# Altium PCB GATEWAY_PCB.PcbDoc (continued)
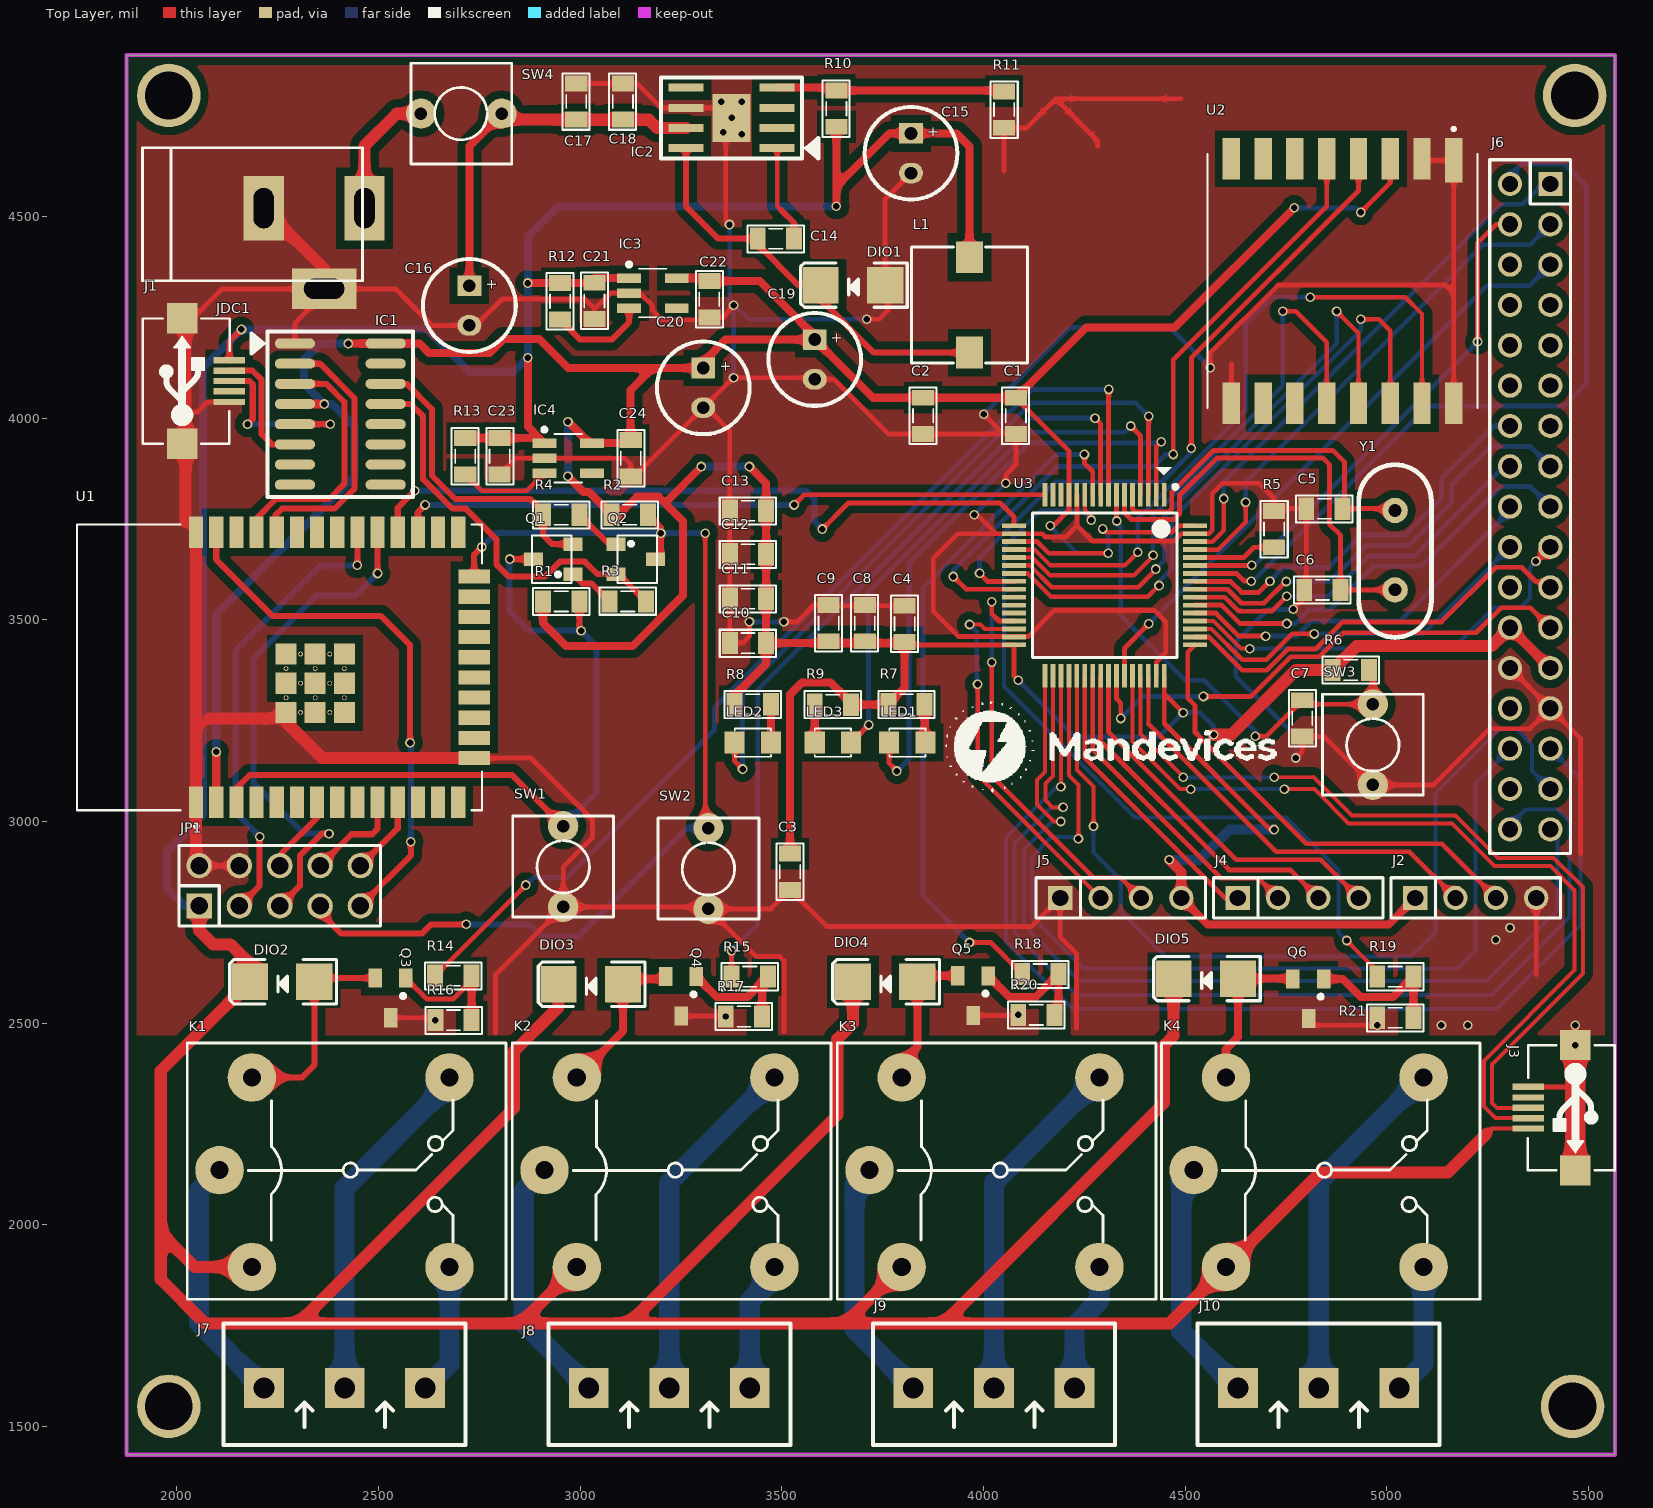
[diagram p0: Top Layer view]
## Part data
C1 C2 C3 C4 C5 C6 C7 C8 C9 C10 C11 C12 C13 C14 C17 C18 C21 C22 C23 C24: library part CapSMD, "Capacitor", LatestRevisionDate=17-Jul-2002, LatestRevisionNote="Re-released for DXP Platform.", PackageReference=RAD-0.3, Published=8-Jun-2000, Publisher="Altium Limited"
C15 C16 C19 C20: library part "Cap Pol", "Polarized Capacitor (Axial)", LatestRevisionDate=17-Jul-2002, LatestRevisionNote="Re-released for DXP Platform.", PackageReference=POLAR0.8, Published=8-Jun-2000, Publisher="Altium Limited"
DIO1 DIO2 DIO3 DIO4 DIO5: library part "Diode SMD", "Default Diode", Code - JEDEC=DO-214-AB, Published=8-Jun-2000, Publisher="Altium Limited", Revision="July-2002: Re-released for DXP Platform."
IC3 IC4: "RT9013-33GB IC REG LINEAR 3.3V 500mA SOT23-5"
J1 J3: Manufacturer=FCI, Manufacturer Part Number=10118193-0001LF, Supplier Part Number 1=609-4616-1-ND, .Checked PCB=RF, .Checked SCH=MM, .Creator=MM, Category="Connectors, Interconnects", ComponentLink1Description=http://portal.fciconnect.com/Comergent//fci/drawing/10118193.pdf, ComponentLink1URL=http://portal.fciconnect.com/Comergent//fci/drawing/10118193.pdf, Connector Type="USB - micro B", Features="Shielded, Solder Retention", Gender=Receptacle, Ingress Protection=-, Mounting Type="Surface Mount, Right Angle, Horizontal", Number of Contacts=5, Packaging="Cut Tape (CT)", Pricing 1="1=0.46, 10=0.433, 25=0.3712, 50=0.3156, 100=0.3032, 250=0.27224, 500=0.25988 (USD)", RoHS="RoHS Compliant", Specifications="USB 2.0", Stock 1=28642, Supplier 1=Digi-Key
J2: library part Header4, "Header IDC, 4 x 1 Pin Vertical 2.54mm Pitch (Non-Boxed, Male)", Manufacturer="Würth Elektronik eiSos GmbH", partNo=613002143121, ComponentLink1 Description=Manufacturer, ComponentLink1URL=http://www.we-online.com, ComponentLink2 Description=Datasheet, ComponentLink2URL=http://katalog.we-online.de/em/datasheet/6130xx143121.pdf, Created by="Karrer Zheng", Created Date="29 March 2013", NoPins=02
J4 J5: "WR-PHD 2.54 mm Angled Socket Header", Manufacturer="Würth Elektronik eiSos GmbH", partNo=613004143121, ComponentLink1 Description=Manufacturer, ComponentLink1URL=http://www.we-online.com, ComponentLink2 Description=Datasheet, ComponentLink2URL=http://katalog.we-online.de/em/datasheet/6130xx143121.pdf, Created by="Karrer Zheng", Created Date="29 March 2013", NoPins=04
J6: "WR-PHD 2.54 mm Dual Socket Header", Manufacturer="Würth Elektronik eiSos GmbH", partNo=61303421821, ComponentLink1 Description=Manufacturer, ComponentLink1URL=http://www.we-online.com, ComponentLink2 Description=Datasheet, ComponentLink2URL=http://katalog.we-online.de/em/datasheet/6130xx21821.pdf, Created by="Karrer Zheng", Created Date="29 March 2013", NoPins=34
J7 J8 J9 J10: Manufacturer="Würth Elektronik eiSos GmbH", partNo=691103110003, ComponentLink1 Description=Manufacturer, ComponentLink1URL=http://www.we-online.com, ComponentLink2 Description=Datasheet, ComponentLink2URL=http://katalog.we-online.de/em/datasheet/6911031100xx.pdf, Created by="Karrer Zheng", Created Date="29 October 2013", NoPins=3
JDC1: library part DCIN, "Jac DC input"
JP1: library part "JP 2x5 2.54 Duc Thang", "C?m", Chung_Loai=C?m, Don_Vi=Con, Ma_Hang=MH002686, Ten_Linh_Kien="Jump Ðôi Ð?c 2.54MM 2x40P Th?ng 11MM"
K1 K2 K3 K4: "Single-Pole Dual-Throw Relay", LatestRevisionDate=17-Jul-2002, LatestRevisionNote="Re-released for DXP Platform.", PackageReference=MODULE5B, Published=24-Mar-1999, Publisher="Altium Limited"
L1: library part Inductor, "Inductor"
LED1 LED2 LED3: "LED Single colour Green and Red"
Q1 Q2: library part 2SC1815, "NPN 600mW, ECB", =C2383
Q3 Q4 Q5 Q6: "NPN 600mW, ECB", =C2383
R1 R2 R3 R4 R5 R6 R7 R8 R9 R10 R11 R12 R13 R14 R15 R16 R17 R18 R19 R20 R21: library part "Resistor - SMD", "Resistor", Manufacturer="Generic Components", Class=Passive, Published=08/06/2000, Publisher="Altium Hobart Technology Centre"
SW1 SW2 SW3 SW4: library part SW2, "Switch button 2 pin"
U2: "LoRa Module Ra-02"
Y1: library part XTAL, "Crystal Oscillator", LatestRevisionDate=17-Jul-2002, LatestRevisionNote="Re-released for DXP Platform.", PackageReference=R38, Published=8-Jun-2000, Publisher="Altium Limited"
IC2: Name=TPS5430

## Free pads (board coordinates)
  round 157.48 hole 118.11: 0(1980,1550) 0(1980,4800) 0(5460,1550) 0(5465.45,4800)

## Via types
v1: diameter 24, hole 16, Top Layer to Bottom Layer, 123 vias

## Nets (pads, with @x,y where several pads share a name; then routed paths per layer and width w, separated by ;. In a path a pad name is that pad's centre, name@x,y a point inside that pad or via, vN(x,y) a via of type N, cw(c..) or ccw(c..) an arc to the next point about the centre after c; other vN are vias at no path point)
3V3: C1.1 C2.1 C3.2 C4.2 C8.2 C9.2 C10.2 C11.2 C12.2 C13.2 C19.1 C20.1 C22.2 C24.2 IC1.4 IC1.16 IC3.5 IC4.5 J2.1 J5.4 J6.13 J6.23 R1.1 R2.1 R6.1 R7.1 R8.1 R9.1 U1.2 U2.3 U3.13 U3.19 U3.32 U3.48 U3.64 | length 13229.5
  Top Layer w12: C4.2@3811.1,3437.95 U3.32 4075.59,3360.19 v1(4085.79,3350) ; U3.19 4132.81,3693.86 4161.66,3665 v1(4309.16,3665) ; C1.1 4211.42,3919.17 U3.13 4211.42,3771.42 4173.23,3733.23 v1(4165,3733.23) ; v1(4295,3725.35) 4303.35,3717 4466.86,3717 4483.09,3733.23 U3.64 ; U3.48 4447.64,3316.77 ; v1(4494.41,3270) 4447.64,3316.77 ; v1(4720,2980) 4710.59,2980 4447.64,3242.95 4447.64,3316.77 ; v1(4935,4510) 5008.11,4583.11 U2.3@5008.11,4638.74
  Top Layer w20: U1.2 v1(2097.48,3172.48) ; IC1.4 v1@2360,4035 ; v1(2425,4185) IC1.16 2602.05,4185 2625.26,4161.79 2774.97,4161.79 2809.39,4196.2 2898.22,4196.2 2970.22,4124.21 3179.21,4124.21 ; R1.1 2907.75,3492.25 2965,3435 3130,3435 3255,3560 3255,3744.56 3204.56,3795 ; v1(2969.41,3855.59) 3008.34,3816.66 3021.66,3816.66 R2.1 3095.57,3760.57 3140.07,3805.07 3194.48,3805.07 3204.56,3795 ; v1(2969.41,3991.36) 3022.78,3937.99 IC4.5 3117.4,3937.99 C24.2 3125,4070 3179.21,4124.21 ; IC3.5 3312.6,4347.4 C22.2 3445,4340 3581.22,4203.78 C19.1 ; v1(3300,3880) 3300,3879.5 3215.5,3795 3204.56,3795 ; R8.1 3382.77,3312.77 3460.79,3390.79 C10.2 ; v1(3419.41,3880) 3460.78,3838.62 C13.2 C12.2 C11.2 C10.2 ; C3.2 3520,3315 3550,3345 3620.52,3345 3671.22,3294.3 R9.1 3762.78,3289.59 R7.1 3804.06,3330.86 C4.2 ; C4.2@3811.1,3437.95 C4.2 ; J5.4 4555.59,2745 5004.41,2745 J2.1 ; v1(4770,4521.38) 4473.62,4225 4254.41,4225 C1.1 C2.1 3725.63,4050.59 3581.42,4194.8 C19.1 ; 3179.21,4124.21 C20.1 3305,4139.8 3360,4194.8 C19.1 ; C10.2 3801.45,3442.4 C4.2
  Top Layer w25: v1(4460,2905) 4490,2875 J5.4 ; J6.23 J6.13
  Top Layer w30: v1(4570,3215) 4613.63,3215 4774.22,3375.59 R6.1 4865.19,3375.59 4924.41,3434.81 4924.41,3435 5259.41,3435 J6.23
  Bottom Layer w10: v1(4165,3733.23) 4233.23,3665 v1(4309.16,3665)
  Bottom Layer w12: v1(4085.79,3350) 4225.79,3210 4434.41,3210 v1(4494.41,3270) 4537.01,3270 4570,3237.01 v1(4570,3215) ; v1(4295,3725.35) 4309.16,3711.2 v1(4309.16,3665) ; v1(4770,4521.38) 4923.62,4521.38 v1(4935,4510)
  Bottom Layer w20: v1(2097.48,3172.48) 2097.48,3513.07 2440,3855.59 2440,3980 2385,4035 v1(2365,4035) 2315,4085 2315,4145 2355,4185 v1(2425,4185) ; v1(2969.41,3855.59) v1(2969.41,3991.36) ; v1(3300,3880) v1(3419.41,3880)
  Bottom Layer w25: v1(4460,2905) 4535,2905 4610,2980 v1(4720,2980)
5V: C15.1 C21.2 C23.2 DIO2.2 DIO3.2 DIO4.2 DIO5.2 IC3.1 IC4.1 J1.1 J3.1 JP1.1 K1.4 K2.4 K3.4 K4.4 L1.2 R10.2 R12.1 R13.1 | length 13725.6
  Top Layer w10: 5245.79,2225 5259.61,2238.82 J3.1
  Top Layer w15: J1.1 2130,4190 v1(2160,4220)
  Top Layer w20: R13.1 C23.2 2898.35,3950.59 ; v1@2870,4143.18 2870,3978.94 2898.35,3950.59 ; v1(2870,4335) R12.1 3034.41,4335 C21.2 3035,4347.4 IC3.1 ; IC4.1 2898.35,3950.59 ; v1(3635,4525) 3635,4575 ; R10.2 3635,4575 ; L1.2 3965,4673.6 3932.66,4705.95 C15.1 3765.95,4705.95 3635,4575
  Top Layer w30: JP1.1@2061.38,2790.59 JP1.1 2055,2730 2090,2695 2133.11,2695 2180.79,2647.32 DIO2.2 1960,2381.81 1960,1980 ; K1.4 2044.41,1895.59 1960,1980 ; DIO3.2 2945.79,2540 2835,2429.21 2835,2289.26 2301.33,1755.59 ; K2.4 2851.39,1755.59 ; DIO4.2 3675.79,2498.88 3636.99,2460.08 3636.99,2271.99 3120.59,1755.59 ; K3.4 3656.99,1755.59 ; DIO5.2 4470.79,2468.64 4447.64,2445.5 4447.64,2302.64 3900.59,1755.59 ; K4.4@4605.59,1895.59 K4.4 ; 5245.79,2225 5150.79,2130 4835.2,2130 K4.4 ; 1960,1980 1960,1865 2069.41,1755.59 2301.33,1755.59 ; 2301.33,1755.59 2851.39,1755.59 ; 2851.39,1755.59 3120.59,1755.59 ; 3120.59,1755.59 3656.99,1755.59 ; 3656.99,1755.59 3900.59,1755.59 ; 3900.59,1755.59 4460.79,1755.59 K4.4
  Bottom Layer w20: JP1.1 2019.41,2790.59 1975,2835 1975,2925.79 2065,3015.79 2065,4125 v1(2160,4220) 2620,4220 2725,4115 2835,4115 v1(2870,4150) v1(2870,4335) 2870,4450 2945,4525 v1(3635,4525)
12V: C16.1 C17.2 C18.2 IC2.7 SW4.2 | length 931.3
  Top Layer w20: C16.1 2725,4675 SW4.2
  Top Layer w30: SW4.2 2820,4740 C17.2 C18.2 3170,4740 3190.77,4719.23 IC2.7
BOOT0: R5.1 U3.60 | length 206.2
  Top Layer w12: U3.60 4644.89,3654.49 4670.4,3680 R5.1
C0: J7.1 K1.1 | length 627.6
  Bottom Layer w50: K1.1 2055,2084.8 2055,1756.38 J7.1
C1: J8.1 K2.1 | length 627.9
  Bottom Layer w50: K2.1 2860,2084.2 2860,1756.38 J8.1
C2: J9.1 K3.1 | length 615.7
  Bottom Layer w50: K3.1 3680,2098.6 3680,1741.38 J9.1
C3: J10.1 K4.1 | length 611.1
  Bottom Layer w50: K4.1 4490,2104.8 4490,1736.38 J10.1
CH340_RXD: IC1.3 U1.35 | length 631.4
  Top Layer w15: U1.35 2197.48,3751.66 2245.41,3799.59 2377.07,3799.59 2415,3837.52 2415,4040 2370,4085 IC1.3
CH340_TXD: IC1.2 U1.34 | length 673.7
  Top Layer w15: U1.34 2245,3719.33 2245,3760 2260.59,3775.59 2390.59,3775.59 2440,3825 2440,4050 2355,4135 IC1.2
D_N: IC1.6 J1.2 | length 317
  Top Layer w15: J1.2 2187.41,4117.59 2210,4095 2210,3960.59 2235.59,3935 IC1.6
D_P: IC1.5 J1.3 | length 462.2
  Top Layer w15: J1.3 2179.9,4092 2188,4083.9 2188,3998 v1(2175,3985) ; IC1.5 v1(2380,3985)
  Bottom Layer w15: v1@2175,3980.79 v1(2175,3985) v1(2380,3985)
DTR: IC1.13 Q2.2 R3.1 | length 1006.7
  Top Layer w15: IC1.13 2580,4035 2610.48,4004.52 2610.48,3848.41 2683.3,3775.59 2716.33,3775.59 2791.92,3700 2791.92,3638.08 2822.8,3607.2 2912.2,3607.2 2949.4,3644.4 3011.6,3644.4 3042.43,3613.57 Q2.2 3094.76,3613.57 R3.1
EN: Q1.3 R1.2 SW1.2 U1.3 | length 1905.5
  Top Layer w15: U1.3 2147.48,3082.48 2180,3115 2831.1,3115 SW1.2 ; v1(2825,3650.57) Q1.3 ; R1.2 2997.75,3477.25 v1(3002,3473)
  Bottom Layer w15: v1(2825,3650.57) 2825,3520 2872,3473 v1(3002,3473) 3040,3435 3040,3070.59 SW1.2
GND: C1.2 C2.2 C3.1 C4.1 C5.1 C6.1 C7.1 C8.1 C9.1 C10.1 C11.1 C12.1 C13.1 C15.2 C16.2 C17.1 C18.1 C19.2 C20.2 C21.1 C22.1 C23.1 C24.1 DIO1.1 IC1.1 IC2.6 IC2.9 IC3.2 IC4.2 J1.5 J2.4 J3.5 J5.1 J6.14 J6.22 JDC1.2 JDC1.3 JP1.9 JP1.10 Q3.3 Q4.3 Q5.3 Q6.3 R5.2 R11.1 R16.1 R17.1 R20.1 R21.1 SW1.1 SW2.1 SW3.1 U1.1 U1.15 U1.38 U1.39_1 U2.1 U2.2 U2.9 U2.16 U3.12 U3.18 U3.31 U3.47 U3.63 | length 20634.1
  Top Layer w12: 2021.7,3742.63 U1.38 ; J1.5@2021.7,4229.64 2112.65,4320.59 JDC1.3 ; 2038.16,4015 2050,4015 2075,4040 J1.5@2130,4040 ; JP1.10@2047.48,2898.11 JP1.10 JP1.9 ; 2047.48,3222.48 2080,3255 ; U1.39_1@2254.92,3255 U1.39_1 ; IC1.1 2292.64,4235.16 2365,4307.52 JDC1.3 ; 2365,4370.59 JDC1.3 ; Q3.3 2635,2513.38 v1(2640.79,2507.59) R16.1@2640.79,2497.81 ; U1.15 2877.8,3157.2 3030,3005 3030,2959.59 2957.76,2887.35 SW1.1 ; 2790,2474.86 2790,2620.59 SW1.1 ; C23.1 2840,3900.59 IC4.2 3110.35,3900.59 3125,3885.94 C24.1 3134.8,3855.59 C20.2 ; C17.1 C18.1 3140,4830 3200.77,4769.23 IC2.6 3341,4769.23 3375,4735.23 3360.79,4721.02 3360.79,4489.21 v1(3370,4480) ; C21.1 3035,4270.02 3035.99,4271.01 ; Q4.3 3360,2517.38 v1(3360.79,2516.59) ; v1(3380,4280) 3355,4250 C22.1 3313.79,4243.79 3202.49,4243.79 3179.21,4267.06 3179.21,4278.79 3148,4310 IC3.2 3074.98,4310 3035.99,4271.01 ; v1(3419.41,3495) 3419.41,3459.41 3402.4,3442.4 C10.1 C11.1 C12.1 C13.1 3370.78,3969.22 3314.21,4025.79 C20.2 ; 3505,2479.53 3505,2655 3495,2665 3436.1,2665 SW2.1 ; v1(3505,3495) 3537.75,3495 3579.53,3536.77 C9.1 3617.29,3535 C4.1 ; C19.2@3575,4090.16 3565.16,4100 v1(3380,4100) 3379.21,4100 C20.2 ; C19.2 3628.62,4096.38 3764.41,3960.59 C2.2 4049.41,3960.59 ; v1(3710,4245) 3740.79,4245 3762.78,4267 3762.78,4307.78 3765.79,4310.79 3775,4310.79 DIO1.1 3755.79,4543.31 C15.2 C15.2@3822.52,4607.52 ; Q5.3 4084.36,2519.17 v1(4085.79,2520.59) ; v1(3976.65,3760.27) 3984.73,3760.27 4031.46,3713.54 ; v1(4000,4010) 4049.41,3960.59 ; 4050.59,4613 R11.1 4051.35,4719.23 4105.93,4719.23 4178.54,4791.84 ; v1(4055,3838.62) 4055,3860 4080,3885 C1.2 4049.41,3960.59 ; U3.18@4074.81,3713.45 4145.18,3713.45 4153.4,3705.23 4203.58,3705.23 4231.1,3732.75 U3.12 ; U3.18 4031.46,3713.54 ; 4230,2487.62 4230,2673.15 4190,2713.15 J5.1 4119.41,2740 3610.59,2740 C3.1 3472.76,2783.35 SW2.1 ; 4231.88,3733.12 4269.5,3695.5 4472.23,3695.5 4490.28,3713.54 U3.63 4558.54,3713.54 4566.94,3721.94 4566.94,3812.97 4592.59,3838.62 4682.16,3838.62 4720,3800.78 R5.2 4725.59,3775.59 C5.1 4800,3579.2 C6.1 4795,3552.98 v1(4768.02,3526) ; 4282.06,4675 4282.06,4688.33 4178.54,4791.84 ; U3.47 4427.95,3395.31 4451.57,3418.94 4451.57,3495.19 4423.26,3523.51 4175.6,3523.51 4110.5,3458.42 4076.37,3458.42 U3.31 4074.81,3458.42 3938.28,3458.42 3875,3521.69 3875,3652.4 3936.14,3713.54 4031.46,3713.54 ; 4489.57,4791.84 4178.54,4791.84 ; v1(4561.65,4125) 4561.65,4161.65 4730,4330 5145,4330 5165.59,4309.41 ; U2.9@4614.41,4032.44 U2.9 4614.41,4134.41 ; v1(4774,3157.48) 4790,3173.48 C7.1 4845,3210.59 SW3.1 5115.59,3090.59 5255,3230 5354.41,3230 J6.14 ; Q6.3 4821.96,2495 v1(4976.44,2495) 4976.44,2512.72 R21.1 ; U2.2@5086.85,4638.74 5161.65,4638.74 5165.59,4634.8 5165.59,4309.41 ; U2.16@5165.59,4032.44 U2.16 5165.59,4309.41 ; J6.22 J6.14 ; J3.5@5350,2342 5463.84,2342 5466.84,2345 ; 5370,2620 J2.4 ; v1(5466.84,2445.51) v1(5466.84,2495) ; 5480,2920.59 5480,3205.59 J6.14 ; JDC1.3 2541.89,4320.59 2632.48,4230 C16.2 2741,4230 2806,4295 3012,4295 3035.99,4271.01 ; SW1.1 3312.76,2788.35 SW2.1
  Top Layer w30: 2021.7,3742.63 J1.5@2021.7,4229.64 ; JP1.10@2047.48,2898.11 U1.1 2047.48,3222.48 U1.38 ; 2080,3255 U1.39_1@2254.92,3255 ; JDC1.2 2365,4370.59 ; U1.39_1 2270.51,3246.69 2360,3157.2 U1.15
  Top Layer w50: J3.5@5466.84,2134.49 5466.84,2345 v1(5466.84,2445.51)
  Bottom Layer w12: v1(3370,4480) 3370.79,4480 3370.79,4287.16 v1(3380,4280) ; v1(3380,4100) v1(3380,4280) ; v1(3419.41,3495) v1(3505,3495) ; v1(3710,4245) 3420,4245 v1(3380,4280) ; v1(3976.65,3760.27) v1(4055,3838.62) ; v1(4000,4010) 4215,4225 4461.65,4225 v1(4561.65,4125) ; v1(4768.02,3526) 4705.06,3526 4625,3445.94 4625,3360.59 4774,3211.59 v1(4774,3157.48)
  other v1: 5135,2495 5200,2495 5269.4,2706.98 5305,2736.55 3400,4704.23 3355,4708.64 3375,4744.23 3350,4784.23 3400,4784.23
GPIO_A8: J4.4 U3.41 | length 930
  Top Layer w12: U3.41 4309.84,3221.63 4626.47,2905 4835.59,2905 J4.4
GPIO_B10: J5.3 U3.29 | length 1019.9
  Top Layer w11: v1(4020,3395) 4020,3113.56 4272.97,2860.59 4340,2860.59 J5.3
  Top Layer w12: v1(4020,3545) 4020,3515.1 4038.09,3497.01 U3.29
  Bottom Layer w12: v1(4020,3395) v1(4020,3545)
GPIO_B11: J5.2 U3.30 | length 927.4
  Top Layer w11: v1(3965.12,3488.38) 3992.21,3488.38 4003.27,3477.32 U3.30 ; v1(3985,3340) 3985,3115.59 J5.2
  Bottom Layer w11: v1(3965.12,3488.38) 3983.5,3470 3983.5,3341.5 v1(3985,3340)
GPIO_C7: J4.1 U3.38 | length 726.3
  Top Layer w12: U3.38 4250.79,3158.07 4598.26,2810.59 J4.1
GPIO_C8: J4.2 U3.39 | length 795
  Top Layer w12: U3.39 4270.47,3177.75 4588.83,2859.4 4681.19,2859.4 J4.2
GPIO_C9: J4.3 U3.40 | length 863.3
  Top Layer w12: U3.40 4290.16,3198.38 4608.54,2880 4760.59,2880 J4.3
GPIO_LED0: LED1.2 U3.2 | length 1493.2
  Top Layer w11: U3.2 4427.95,3929.78 v1(4440,3941.83)
  Top Layer w12: LED1.2 3765.79,3144.21 v1(3785,3125)
  Bottom Layer w12: v1(3785,3125) 3815,3155 3815,3640.57 4112.43,3938 4436.17,3938 v1(4440,3941.83)
GPIO_LED1: LED2.2 U3.3 | length 1778.8
  Top Layer w12: LED2.2 3382.77,3149.63 v1(3402.4,3130) ; U3.3 4409.05,3810.78 4409.05,4004.76 v1(4409.29,4005)
  Bottom Layer w12: v1(3402.4,3130) 3402.4,3322.4 4118.3,4038.3 4375.99,4038.3 v1(4409.29,4005)
GPIO_LED2: LED3.2 U3.4 | length 1393
  Top Layer w12: LED3.2 v1(3715,3239.37) ; v1(4365,3980.59) 4388.58,3957.01 U3.4
  Bottom Layer w12: v1(3715,3239.37) 3715,3570 4110,3965 4349.41,3965 v1(4365,3980.59)
IO0: JP1.4 Q2.3 R2.2 SW2.2 U1.24 | length 2646.7
  Top Layer w12: v1(3310,3715) 3310,2991.1 SW2.2
  Top Layer w15: JP1.4 2355,2775 2407.82,2722.18 2607.35,2722.18 2630.18,2745 v1(2717.65,2745) ; U1.24 2736.85,3661.85 v1(2755.59,3680.59) ; R2.2 3200,3728.33 v1(3200,3715) 3200,3663.61 Q2.3
  Bottom Layer w15: v1(2717.65,2745) 2872.95,2745 2902.95,2715 2995,2715 3263.35,2983.35 SW2.2 ; v1(2755.59,3680.59) 2790,3715 v1(3200,3715) v1(3310,3715)
IO5: JP1.3 U1.29 | length 1285
  Top Layer w15: JP1.3 2305,2840.59 2305,2915.59 2359.41,2970 v1(2377.07,2970) ; v1(2497.48,3615) U1.29
  Bottom Layer w15: v1(2377.07,2970) 2315,2970 2190,3095 2190,3404.14 2345.86,3560 2442.48,3560 v1(2497.48,3615)
IO18: JP1.2 U1.30 | length 1150.1
  Top Layer w15: JP1.2 2205,2840.59 v1(2205,2962.48) ; v1(2446.96,3635) 2447.48,3635.52 U1.30
  Bottom Layer w15: v1(2205,2962.48) 2145,3022.48 2145,3423.51 2356.49,3635 v1(2446.96,3635)
IO23: JP1.5 U1.37 | length 1335.1
  Top Layer w15: U1.37 2097.48,3649.16 2236.64,3510 2505,3510 2578.07,3436.93 v1(2578.07,3195.29) ; JP1.5 2580,2915.59 v1(2580,2950)
  Bottom Layer w15: v1(2578.07,3195.29) 2580,3193.36 v1(2580,2950)
IO25: JP1.7 U1.10 | length 246
  Top Layer w15: JP1.7 2432.75,2968.34 2484.03,2968.34 2497.48,2981.79 U1.10
IO26: JP1.6 U1.11 | length 195.3
  Top Layer w15: JP1.6 2547.48,2983.07 U1.11
IO27: U1.12
IO32: U1.8
IO33: U1.9
IO35: JP1.8 U1.7 | length 172.6
  Top Layer w15: JP1.8@2260,2911.18 2260,2921.87 2347.48,3009.35 U1.7
MCU_RESET: C7.2 R6.2 SW3.2 U3.7 | length 1190.7
  Top Layer w12: U3.7 4329.53,3745.47 v1(4330,3745) ; v1(4673.18,3211.42) 4700.83,3211.42 C7.2 4800,3290.59 SW3.2 4965,3365.59 R6.2
  Bottom Layer w12: v1(4330,3745) 4330,3739.53 4340,3729.53 4340,3509.85 4499.85,3350 4547.2,3350 4673.18,3224.03 v1(4673.18,3211.42)
NC0: J7.2 K1.2 | length 877.7
  Bottom Layer w50: J7.2 2415.79,2090.79 2675.79,2350.79 K1.2
NC1: J8.2 K2.2 | length 877.9
  Bottom Layer w50: J8.2 3220.79,2104.99 K2.2
NC2: J9.2 K3.2 | length 878.2
  Bottom Layer w50: J9.2 4025.79,2104.39 K3.2
NC3: J10.2 K4.2 | length 878.5
  Bottom Layer w50: J10.2 4830.79,2106.97 5089.41,2365.59 K4.2
NetC14_1: C14.1 DIO1.2 IC2.8 L1.1 | length 1026.4
  Top Layer w15: IC2.8 3261.81,4525.59 3342.4,4445 C14.1 3440,4430.61 3540.61,4330 DIO1.2 3595.79,4294.53 3727.84,4162.48 L1.1
NetC14_2: C14.2 IC2.1 | length 241.6
  Top Layer w12: IC2.1 3488.19,4525.59 3498.19,4515.59
  Top Layer w15: 3498.19,4515.59 3530,4483.78 C14.2
NetDIO2_1: DIO2.1 K1.5 Q3.2 | length 529.3
  Top Layer w15: K1.5 2310.59,2365.59 2340.79,2395.79 DIO2.1 2350,2611.81 Q3.2
NetDIO3_1: DIO3.1 K2.5 Q4.2 | length 392.5
  Top Layer w20: K2.5 3105.79,2479.99 DIO3.1 3118.79,2609.59 3205.77,2609.59 Q4.2
NetDIO4_1: DIO4.1 K3.5 Q5.2 | length 359.3
  Top Layer w20: K3.5 3796.99,2401.99 3835.79,2440.79 DIO4.1 3850.79,2617.59 Q5.2
NetDIO5_1: DIO5.1 K4.5 Q6.2 | length 394
  Top Layer w20: K4.5 4600.79,2435.79 4630.79,2465.79 DIO5.1 4766.2,2610.59 Q6.2
NetIC2_4: IC2.4 R10.1 R11.2 | length 566.2
  Top Layer w20: IC2.4 3628.16,4819.23 R10.1 4048.19,4812.4 R11.2
NetIC3_3: IC3.3 R12.2 | length 244.1
  Top Layer w15: R12.2 3000.2,4194.8 3077.56,4194.8 3120.94,4238.19 IC3.3
NetIC4_3: IC4.3 R13.2 | length 230.6
  Top Layer w12: R13.2 2755.59,3820 2867.76,3820 IC4.3
NetJ6_1: J6.1 U3.62 | length 1318.6
  Top Layer w11: U3.62 4567.32,3693.86 4595,3721.54 v1(4595,3800.59)
  Bottom Layer w11: v1(4595,3800.59) 4595,3842.28 5283.31,4530.59 5335.59,4530.59 5385.59,4580.59 J6.1
NetJ6_2: J6.2 U3.61 | length 1272.9
  Top Layer w11: U3.61 4581.71,3674.17 4649.38,3741.84 v1(4649.38,3791.11)
  Bottom Layer w11: v1(4649.38,3791.11) 4649.38,3841.41 5237.97,4430 5354.41,4430 J6.2
NetJ6_3: J6.3 U3.43 | length 1518.3
  Top Layer w12: U3.43 4349.21,3429.92 v1(4409.29,3490)
  Bottom Layer w12: v1(4409.29,3490) 5247.71,4328.43 5352.83,4328.43 J6.3
NetJ6_8: J6.8 U3.56 | length 1101.8
  Top Layer w12: U3.56 4604.68,3575.75 4639.31,3541.12 4694.86,3541.12 4748.73,3595 v1(4750,3595)
  Bottom Layer w12: v1(4750,3595) 4858.35,3595 4948.35,3685 5055,3685 5160,3790 5160,3833.18 5256.82,3930 5355.59,3930 J6.8
NetJ6_9: J6.9 U3.54 | length 1062.1
  Top Layer w12: U3.54 4590.31,3536.38 4635.91,3490.79 v1(4751.97,3490.79) v1@4753.19,3490.79
  Bottom Layer w12: v1(4751.97,3490.79) 4772.41,3490.79 4806.62,3525 4858.54,3525 4966.84,3633.3 5085.38,3633.3 5282.67,3830.58 5355.01,3830.58 J6.9
NetJ6_10: J6.10 U3.52 | length 1075.3
  Top Layer w10: U3.52 4570.08,3497.01 4638.55,3428.54 v1(4660,3428.54) ; v1@5364.41,3640 v1(5369.4,3644.99) J6.10
  Top Layer w11: J6.10@5405,3670 J6.10
  Bottom Layer w10: v1(4660,3428.54) 5163.54,3428.54 5265,3530 5330,3530 5354.65,3554.65 5354.65,3630.24 v1(5369.4,3644.99)
NetJ6_11: J6.11 U3.50 | length 1041.1
  Top Layer w12: U3.50 4558.54,3457.64 4641.18,3375 4701.57,3375 4754.04,3427.48 4822.83,3427.48 4890.36,3495 5135,3495 5270.26,3630.26 5333.56,3630.26 5368.82,3595 5390.59,3595 J6.11
NetJ6_12: J6.12 U3.42 | length 1309.1
  Top Layer w12: U3.42 4329.53,3304.08 4340,3293.61 v1(4340,3255.56) ; v1(4545,3310) 4663.44,3310 4761.91,3408.48 4832.31,3408.48 4891.84,3468 5220.8,3468 5282.8,3530 5355.59,3530 J6.12
  Bottom Layer w12: v1(4340,3255.56) 4394.44,3310 v1(4545,3310)
NetJ6_15: J6.15 U3.35 | length 2789.8
  Top Layer w10: v1(4191.73,3086.45) U3.35
  Bottom Layer w10: v1(4191.73,3086.45) 4181.45,3086.45 4055,2960 4055,2701.65 4221.65,2535 5271.97,2535 5480,2743.03 5480,3105 5414.41,3170.59 5414.41,3190 J6.15
NetJ6_16: J6.16 U3.37 | length 2277.3
  Top Layer w10: U3.37 4231.1,3127.98 4272.43,3086.65 v1(4272.43,2988.35)
  Bottom Layer w10: v1(4272.43,2988.35) 4272.43,2923.01 4340,2855.44 4340,2775.81 4450.81,2665 5060,2665 5120,2725 5120,3070.36 5279.64,3230 5320,3230 5360,3190 5360,3125.59 J6.16
NetJ6_17: J6.17 U3.33 | length 2372.2
  Top Layer w10: U3.33 4152.36,3122.36 4132.34,3102.34 4132.34,3042.66 4175,3000 v1(4191.06,3000)
  Bottom Layer w10: v1(4191.06,3000) 4169.26,3000 4100,2930.74 4100,2741.69 4236.8,2604.89 5247.35,2604.89 5423.32,2780.86 5423.32,2962.27 J6.17
NetJ6_18: J6.18 U3.34 | length 2690.7
  Top Layer w10: U3.34 4172.05,3112.69 4153,3093.64 4153,3052.7 4170.7,3035 v1(4196.99,3035)
  Bottom Layer w10: v1(4196.99,3035) 4166.65,3035 4076.87,2945.22 4076.87,2723.02 4229.89,2570 5260,2570 5453,2763 5453,2999.51 5422.51,3030 5343.4,3030 5305,2991.6 J6.18
NetJ6_20: J6.20 U3.36 | length 2418.2
  Top Layer w10: U3.36 4211.42,3114.54 4235,3090.96 v1(4235,2957)
  Bottom Layer w10: v1(4235,2957) 4231,2961 4168.71,2961 4120,2912.29 4120,2762.82 4247.82,2635 5175,2635 5220,2680 5220,3095.59 5240,3115.59 J6.20 J6.20@5305,3170
NetJ6_25: J6.25 U3.51 | length 928
  Top Layer w11: U3.51 4565.02,3477.32 4641.3,3401.04 4700.51,3401.04 4762.75,3463.29 4763.36,3463.29 4765.07,3465 v1(4820,3465)
  Bottom Layer w11: v1(4820,3465) 5089.41,3465 J6.25
NetJ6_26: J6.26 U3.53 | length 943.3
  Top Layer w12: U3.53 4575.85,3516.69 4632.88,3459.67 v1(4699.03,3459.67)
  Bottom Layer w12: v1(4699.03,3459.67) 4775.07,3459.67 4812.14,3496.74 5031.74,3496.74 5305,3770 J6.26
NetJ6_27: J6.27 U3.55 | length 943.9
  Top Layer w12: U3.55 4597.5,3556.06 4631.44,3522.12 4636.76,3522.12 4637.66,3521.23 4692.34,3521.23 4693.24,3522.12 4715.45,3522.12 v1(4751.66,3558.34)
  Bottom Layer w12: v1(4751.66,3558.34) 4854.9,3558.34 4954.38,3657.82 5067.82,3657.82 5290.59,3880.59 J6.27
NetJ6_28: J6.28 U3.57 | length 993.6
  Top Layer w12: U3.57 4611.87,3595.43 4639.44,3567.87 4682,3567.87 v1(4710,3595.87)
  Bottom Layer w12: v1(4710,3595.87) 4709.13,3595.87 4743.27,3630 4856,3630 4936,3710 5044.4,3710 5135,3800.6 5135,3850 5265.59,3980.59 J6.28
NetJ6_33: J6.33 U3.59 | length 1281.9
  Top Layer w12: U3.59 4650.2,3634.8 4650,3635 v1(4665,3635) ; v1(5224.64,4189.19) 5224.64,4434.64 5270.59,4480.59 J6.33
  Bottom Layer w12: v1(4665,3635) 4665,3630.46 4665.46,3630 v1(5224.64,4189.19)
NetJ6_34: J6.34 U3.58 | length 1921
  Top Layer w12: U3.58 4626.54,3615.12 4645.79,3595.87 v1(4663.44,3595.87)
  Bottom Layer w12: v1(4663.44,3595.87) 4663.44,3592.03 5101.41,4030 5437.92,4030 5495,4087.08 5495,4575 5440.2,4629.8 5332.78,4629.8 5305,4602.02 J6.34
NetJDC1_1: JDC1.1 SW4.1 | length 327.5
  Top Layer w30: JDC1.1 2465,4675 2545,4755 SW4.1
NetLED1_1: LED1.1 R7.2 | length 95.8
  Top Layer w20: R7.2 3853.78,3197.59 LED1.1
NetLED2_1: LED2.1 R8.2 | length 95
  Top Layer w20: LED2.1 R8.2
NetLED3_1: LED3.1 R9.2 | length 94
  Top Layer w20: LED3.1 R9.2
NetQ1_1: Q1.1 R3.2 | length 118.8
  Top Layer w15: Q1.1 3005.14,3590 3028.33,3590 R3.2
NetQ2_1: Q2.1 R4.2 | length 120.9
  Top Layer w15: R4.2 3070.35,3687.98 Q2.1
NetQ3_1: Q3.1 R14.2 R16.2 | length 312.3
  Top Layer w12: Q3.1 2619.38,2560 2685,2560 2730.79,2605.79 R14.2@2730.79,2616.59
  Top Layer w20: R16.2 R14.2@2730.79,2605.79
NetQ4_1: Q4.1 R15.2 R17.2 | length 303.8
  Top Layer w20: Q4.1 3338.29,2565.09 3414.5,2565.09 R15.2@3450.79,2601.38 ; R17.2 R15.2@3450.79,2601.38 ; R15.2 R15.2@3450.79,2601.38
NetQ5_1: Q5.1 R18.2 R20.2 | length 324.5
  Top Layer w20: Q5.1 4063.87,2565.09 4112.51,2565.09 4112.6,2565 4129.19,2565 R18.2 4185.79,2530.59 R20.2
NetQ6_1: Q6.1 R19.2 R21.2 | length 364.6
  Top Layer w20: Q6.1 4890.41,2609.59 4934.91,2565.09 5015.29,2565.09 R19.2 R21.2
NetR14_1: R14.1 U3.8 | length 2566
  Top Layer w12: R14.1 v1(2865,2842.38) ; U3.8 4309.84,4070.85 v1(4310.22,4071.22)
  Bottom Layer w12: v1(2865,2842.38) 2883.47,2860.85 2965.85,2860.85 3332.82,3227.82 3332.82,3282.82 4121.22,4071.22 v1(4310.22,4071.22)
NetR15_1: R15.1 U3.9 | length 2039
  Top Layer w12: R15.1 v1@3375,2670 ; v1(4276.17,4000) 4290.16,3986.02 U3.9
  Bottom Layer w12: v1(3375,2680) 3440,2745 3440,3326.88 4113.12,4000 v1(4276.17,4000)
NetR18_1: R18.1 U3.10 | length 1736.3
  Top Layer w12: v1(3965,2700) 4017.38,2700 R18.1 ; v1(4250,3910) 4250,3888.24 4270.47,3867.76 U3.10
  Bottom Layer w12: v1(3965,2700) 3850,2815 3850,3580 4000,3730 4000.36,3730 4015,3744.64 4015,3745 4180,3910 v1(4250,3910)
NetR19_1: R19.1 U3.11 | length 2003
  Top Layer w10: U3.11 4250.79,3771.85 4267.64,3755 4267.05,3754.41 v1(4267.05,3747.28) ; v1(4900,2705) 4975.79,2629.21 R19.1
  Bottom Layer w10: v1(4267.05,3747.28) 4267.05,3748.86 4244.86,3771.05 4141.05,3771.05 4050,3680 4050,3335 4375,3010 4750,3010 4880,2880 4880,2725 v1(4900,2705)
NetU1_27: U1.27 U3.16 | length 1622.8
  Top Layer w12: v1(3530,3784.78) 3555.22,3810 U3.16
  Top Layer w15: U1.27 2597.48,3767 v1(2615.26,3784.78)
  Bottom Layer w15: v1(2615.26,3784.78) v1(3530,3784.78)
NetU1_28: U1.28 U3.17 | length 1741.1
  Top Layer w12: v1(3600,3725) 3665,3790 4040.59,3790 4075.59,3755 U3.17
  Top Layer w15: U1.28 2547.48,3777.48 v1(2590,3820)
  Bottom Layer w15: v1(2590,3820) 3560,3820 3581.22,3798.78 3581.22,3743.78 v1(3600,3725)
NetU2_4: U2.4 U3.24 | length 1661.5
  Top Layer w12: v1(3990,3615.12) 4009.69,3595.43 U3.24 ; v1(4515,3925) 4515,4149.21 4929.37,4563.58 U2.4@4929.37,4638.74
  Bottom Layer w12: v1(3990,3615.12) 3990,3655 4176.41,3841.41 4441,3841.41 4515,3915.4 v1(4515,3925)
NetU2_5: U2.5 U3.25 | length 1729.8
  Top Layer w12: v1(3925,3607.2) 3956.46,3575.75 U3.25 ; v1(4470,3910) 4470,4145 4850.63,4525.63 U2.5@4850.63,4638.74
  Bottom Layer w12: v1(3925,3607.2) 3925,3623.13 4181.87,3880 4421.52,3880 4451.52,3910 v1(4470,3910)
NetU2_6: U2.6
NetU2_7: U2.7
NetU2_8: U2.8
NetU2_10: U2.10
NetU2_11: U2.11
NetU2_12: U2.12 U3.21 | length 1422.1
  Top Layer w11: U3.21 4120.56,3654.49 4165.05,3610 4372.22,3610 4415.53,3653.32 4419.17,3653.32 4420,3654.15 v1(4420,3660) ; v1(4741.3,4265) 4774,4265 4850.63,4188.37 U2.12 U2.12@4850.63,4032.44
  Bottom Layer w11: v1(4420,3660) 4420,3758.78 4741.3,4080.08 v1(4741.3,4265)
NetU2_13: U2.13 U3.22 | length 1473.2
  Top Layer w11: U3.22 4114.79,3634.8 4169,3580.59 4383.09,3580.59 4426.93,3624.43 v1(4426.93,3625.82) ; v1(4875,4265) 4929.37,4210.63 U2.13 U2.13@4929.37,4032.44
  Bottom Layer w11: v1(4426.93,3625.82) 4426.93,3626.43 4447.5,3647 4447.5,3756.91 4875,4184.41 v1(4875,4265)
NetU2_14: U2.14 U3.23 | length 1531.3
  Top Layer w11: U3.23 4109.02,3615.12 4167.09,3557.05 4407.05,3557.05 v1(4435,3585) ; v1(4935,4245) 4980,4245 5008.11,4216.89 U2.14 U2.14@5008.11,4032.44
  Bottom Layer w11: v1(4435,3585) 4435,3595 4466.54,3626.54 4466.54,3748.64 4935,4217.1 v1(4935,4245)
NetU2_15: U2.15 U3.20 | length 1721.5
  Top Layer w11: U3.20 4126.33,3674.17 4165.7,3634.8 4349.8,3634.8 v1(4382.5,3667.5) ; v1(4810,4300) 5045,4300 5086.85,4258.15 U2.15 U2.15@5086.85,4032.44
  Bottom Layer w11: v1(4382.5,3667.5) 4382.5,3751.34 4650,4018.84 4650,4234.29 4715.71,4300 v1(4810,4300)
NO0: J7.3 K1.3 | length 325.1
  Bottom Layer w50: J7.3 2675.79,1656.09 K1.3
NO1: J8.3 K2.3 | length 325.3
  Bottom Layer w50: J8.3 3420.29,1810.29 3481.39,1871.39 K2.3
NO2: J9.3 K3.3 | length 325.6
  Bottom Layer w50: J9.3 4225.29,1750.29 4286.99,1811.99 K3.3
NO3: J10.3 K4.3 | length 347.4
  Bottom Layer w50: J10.3 5090.79,1656.09 K4.3
  Bottom Layer w60: K4.3@5075,1879.8 K4.3
OSC_IN: C5.2 U3.5 Y1.1 | length 912.3
  Top Layer w12: U3.5 4368.9,3775.87 4377.29,3767.47 4458.93,3767.47 4466.54,3775.09 4466.54,3816.54 4570,3920 4865.59,3920 4895,3890.59 4895,3780.59 C5.2 5015.49,3775.59 Y1.1
OSC_OUT: C6.2 U3.6 Y1.2 | length 1114.1
  Top Layer w12: U3.6 4349.21,3765.39 4358,3756.6 4358,3756.41 4365.94,3748.47 4471.47,3748.47 4485.54,3762.55 4485.54,3808.67 4577.87,3901 4841.59,3901 4857.31,3885.28 4857.31,3737.19 4885,3709.5 C6.2 Y1.2
RST: IC1.14 Q1.2 R4.1 | length 759.6
  Top Layer w15: IC1.14 2570,4085 2632.48,4022.52 2632.48,3857.52 2690.5,3799.5 2876.25,3799.5 2907.75,3767.99 R4.1 2907.75,3710 2930.18,3687.57 Q1.2
SWCLK: J2.3 U3.49 | length 1148.5
  Top Layer w12: U3.49 4506.09,3419.63 4506.09,3305.76 4524.41,3287.44 4524.41,3220.59 4525.36,3220.59 4540,3205.95 4540,3205 4800,2945 5135.59,2945 J2.3
SWDIO: J2.2 U3.46 | length 1059.6
  Top Layer w10: 4408.27,3242.09 U3.46
  Top Layer w12: 4408.27,3242.09 4725.36,2925 5055.59,2925 J2.2
USB_N: J3.2 U3.44 | length 2163.8
  Top Layer w10: U3.44 4368.9,3198.25 4463,3104.15 4463,3103.82 4483.82,3083 4484.15,3083 4487.06,3080.1 v1@4513.44,3080.1 ; v1(4745.87,3080) 4819.76,3080 4904.76,2995 5161.72,2995 5266.72,2890 5405,2890 5465.45,2829.55 5465.45,2631.86 5240,2406.41 5240,2293.92 5269.51,2264.41 J3.2
  Bottom Layer w10: v1(4513.35,3080.19) 4513.54,3080 v1(4745.87,3080)
USB_P: J3.3 U3.45 | length 2123.4
  Top Layer w10: U3.45 4388.58,3216.42 v1(4495,3110) ; v1(4720.18,3109.64) 4818.05,3110 4913.05,3015 5170,3015 5275,2910 5413.28,2910 5485.45,2837.83 5485.45,2623.58 5260,2398.13 5260,2302.2 5272.2,2290 J3.3
  Bottom Layer w10: v1(4495,3110) 4494.66,3109.64 v1(4720.18,3109.64)
pads on no net: IC1.7 IC1.8 IC1.9 IC1.10 IC1.11 IC1.12 IC1.15 IC2.2 IC2.3 IC2.5 IC3.4 IC4.4 J1.4 J3.4 J6.4 J6.5 J6.6 J6.7 J6.19 J6.21 J6.24 J6.29 J6.30 J6.31 J6.32 U1.4 U1.5 U1.6 U1.13 U1.14 U1.16 U1.17 U1.18 U1.19 U1.20 U1.21 U1.22 U1.23 U1.25 U1.26 U1.31 U1.32 U1.33 U1.36 U1.39_2 U1.39_3 U1.39_4 U1.39_5 U1.39_6 U1.39_7 U1.39_8 U1.39_9 U1.39_10 U1.39_11 U1.39_12 U1.39_13 U1.39_14 U1.39_15 U1.39_16 U1.39_17 U1.39_18 U1.39_19 U1.39_20 U1.39_21 U3.1 U3.14 U3.15 U3.26 U3.27 U3.28

## Polygon pours and split planes (outlines as drawn)
GND on Top Layer "Kyuubi" (solid, remove dead copper, pour order 18): 5460,1930
GND on Top Layer "Kyuubi" (solid, remove dead copper, pour order 16): 6830,1430
GND on Top Layer "Kyuubi" (solid, remove dead copper, pour order 14): 5565,2470 5565,4900 1875,4900 1875,2470
GND on Top Layer "Kyuubi" (solid, remove dead copper, pour order 8): 5355,1635
GND on Top Layer "Kyuubi" (solid, remove dead copper, pour order 4): 5380,1510
GND on Top Layer "Kyuubi" (solid, remove dead copper, pour order 2): 5325,1505
GND on Bottom Layer "Kyuubi" (solid, remove dead copper, pour order 24): 5415,1715
GND on Bottom Layer "Kyuubi" (solid, remove dead copper, pour order 22): 6305,1315
GND on Bottom Layer "Kyuubi" (solid, remove dead copper, pour order 20): 5565,4900 5555,4900 1875,4900 1875,2470 5565,2470
GND on Bottom Layer "Kyuubi" (solid, remove dead copper, pour order 12): 5415,2055

## Keep-outs
Keep-Out Layer:
  the board outline again, w10

## Silkscreen, mask and mechanical layers (free items; w line width, h text height)
Top Overlay:
  drawing of 654 lines, arcs and shapes, not listed

## Text inside footprints (layer, text, board x,y; h text height)
C15: Top Overlay "+" at 3864,4723.73 h25 r270
C16: Top Overlay "+" at 2769,4346.21 h25 r270
C19: Top Overlay "+" at 3625.22,4212.59 h25 r270
C20: Top Overlay "+" at 3349,4142 h25 r270
U1: Mechanical 13 "ANTENNA" at 1900.24,3145.98 h25 r90